# KiCad board plinkyblack.kicad_pcb (continued)
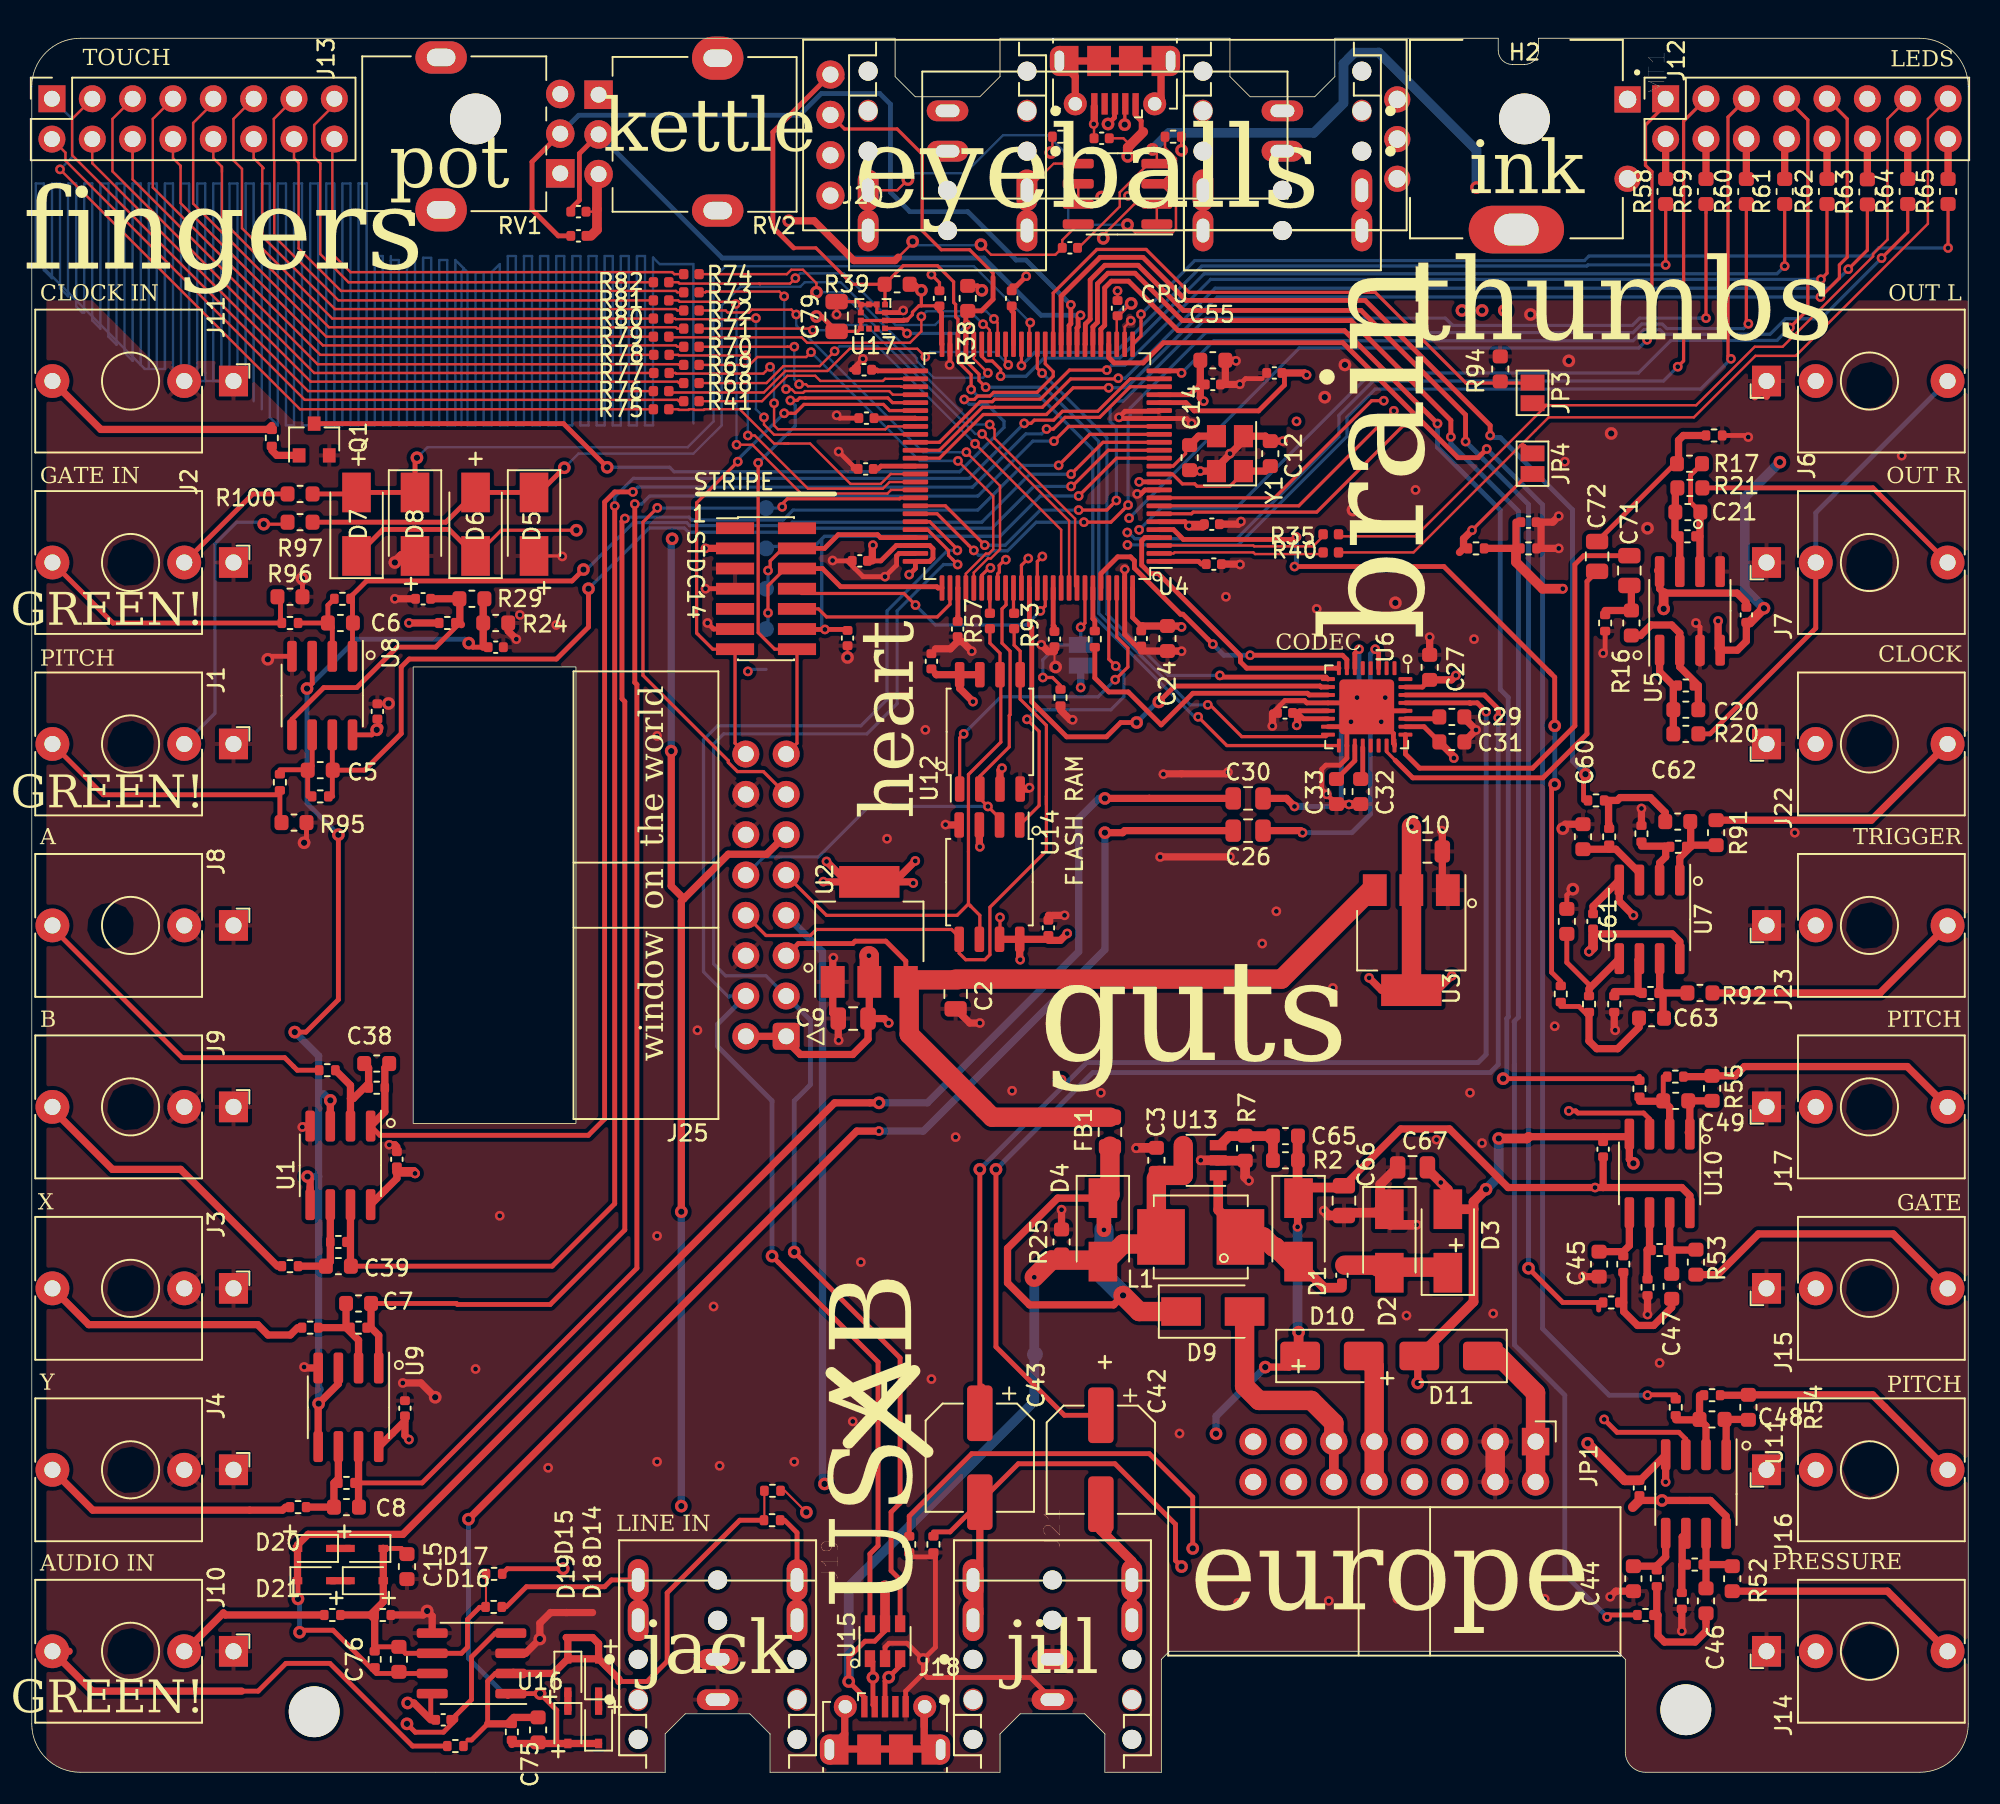
[diagram p0: board, top side]
## Routing (per net, layer and track width the routed paths; a pad name or vN(x,y) marks a point on that pad's centre or on a via; arc(x,y) is an arc through that point)
+3V3: length 238.1
  Top w0.152: v2(69.22,92.52) 68.44,91.74 C19.1 68.31,91.69 U4.28 ; 50.38,90.38 50.95,90.96
  Top w0.203: 56.01,92.37 56.83,92.37 57.15,92.05 ; 56.01,92.37 v2(56.01,93.34) ; 56.01,92.37 55.86,92.37 55.45,91.96 55.45,91.81 55.1,91.47 55.1,91.52 55.13,91.52 ; U17.2 U17.9 U17.10 52.01,90.76 C79.1 ; v1(60.96,53.85) 60.96,52.32 ; v2(34.29,78.23) 29.56,78.23 D5.1
  Top w0.305: v2(59.82,93.34) 59.54,93.62 R38.1 58.73,93.62 ; 57.15,92.05 57.28,91.92 57.28,89.98 U4.50 ; D7.1 22.12,78.28 26.27,78.28 D5.1 ; U4.6 72.61,78.77 v1(72.86,78.52) 73.41,78.52 73.51,78.61 ; U4.100 69.31,72.74 69.85,72.2 69.94,72.29 ; U6.13 79.82,66.86 79.69,66.73 80.06,66.36 U6.14 ; v2(56.01,93.34) 55.63,93.73 R39.1 ; 55.1,91.47 54.89,91.47 54.87,91.44 U17.2 ; v1(55.24,75.44) 55.63,75.83 U4.75 56.53,76.27 56.74,76.48 56.74,77.07 56.53,77.27 U4.73 54.43,77.27 53.46,76.3 52.92,76.3 ; C79.1 49.74,91.69 v2(49.4,91.69) ; v1(69.72,81.28) 70.98,81.28 U4.11
  Top w0.457: v1(50.04,57.37) 51.32,56.08 U2.2 ; 64.01,52.45 63.99,52.47 U14.8 62.2,51.21 v1(62.23,51.18) ; J5.3 v1(42.42,77.09) ; 52.92,76.3 52.92,77.25 v1(52.96,77.29) ; v1(55.5,56.01) 55.42,56.08 U2.2 ; 47.37,46.23 48.39,45.21 51.69,45.21 52.65,46.17 C9.1 ; 56.9,69.19 56.95,69.13 U12.8 58.42,68.28 v1(59.26,67.44) ; C9.1 52.73,47.55 U2.2 ; C9.1 53.67,47.47 v1(53.95,47.19) ; 69.85,72.2 C24.1 72.33,72.2 v1(72.39,72.14) ; v1(65.19,52.83) 64.76,52.4 64.01,52.4 ; U12.3 60.96,63.12 v1(61.09,63.25) ; J25.1 J25.2 ; U2.2 49.85,56.08 v1(49.83,56.1) ; U2.2 54.31,56.08 v1(55.63,57.4) ; 58.42,69.22 58.5,69.13 U12.7 ; 62.23,52.45 62.21,52.47 U14.7 ; U14.3 59.66,58.32 v1(59.69,58.29) ; v1(79.64,65.94) 79.69,66 79.69,66.73
  Top w0.61: v1(72.86,78.52) 73.72,78.52 73.82,78.61
  Top w1.219: U2.2 52.73,51.41 v1(52.7,51.44)
  In2.Cu w0.203: v1(42.42,77.09) 42.35,77.02 35.5,77.02 v2(34.29,78.23)
  In2.Cu w0.61: 56.9,81.28 52.96,77.34 v1(52.96,77.29) 52.76,77.09 v1(42.42,77.09) ; 56.9,81.28 56.9,76.45 57.4,75.95 57.4,70.87 60.07,68.2 ; 56.9,81.28 61.29,81.28 63.1,83.08 66.09,83.08 67.01,84 ; v1(72.86,78.52) 72.86,78.92 73.45,79.51 ; J20.3 48.64,100.21 48.64,97.66 52.96,93.34 v2(56.01,93.34) ; v2(56.01,93.34) v2(59.82,93.34) 59.94,93.47 65.86,93.47 66.83,92.49 ; v2(56.01,93.34) 56.44,93.34 ; 67.01,84 66.68,84.33 66.68,91.34 66.83,91.5 66.83,92.49 ; 67.01,84 67.01,83.57 69.29,81.28 v1(69.72,81.28) 71.68,81.28 73.45,79.51 ; 73.45,79.51 74.14,78.82 74.78,78.82 79.64,73.95 v1(79.64,65.94) ; 60.07,68.2 65.91,68.2 v1(66.04,68.33) ; 60.07,68.2 59.31,67.44 v1(59.26,67.44) 55.63,63.8 v1(55.63,57.4) ; 66.83,92.49 67.73,92.49 67.76,92.52 v2(69.22,92.52)
  Bottom w0.152: v2(69.22,92.52) 68.96,92.52 68.26,91.82
  Bottom w0.203: 46.23,69.47 45.21,69.47 v1(45.09,69.34)
  Bottom w0.457: v1(66.04,68.33) 66.04,69.6
+5V: length 60.2
  Top w0.305: U2.3 55.03,51.09 53.77,52.35 51.84,52.35 51.69,52.2 48.26,52.2 J25.5
  Top w0.61: 55.24,49.53 55.63,49.91
  Top w1.219: 84.58,55.63 84.35,55.63 78.68,49.96 C2.1 ; FB1.1 60.47,41.26 55.24,46.48 55.24,49.53 ; 54.99,49.91 58.29,49.91
+12V: length 312.3
  Top w0.152: v2(59.76,96.22) 60.4,95.58 64.44,95.58 C78.2 64.88,96.51 65.89,97.52 ; 54.56,95.43 55.46,96.33 v2(55.46,96.42)
  Top w0.305: 25.12,3.3 25.12,4.86 U16.8
  Top w0.457: v2(40.89,35.31) 40.89,54.86 41.05,55.03 ; 41.05,55.03 43.85,57.82 46.27,57.82 J25.11 ; 41.05,55.03 40.26,55.82 v2(40.26,64.32) ; U7.8 103.76,52.32 103.27,52.81 98.3,52.81 ; 98.93,38.46 98.93,36.83 ; 98.93,36.83 103.88,36.83 104.39,36.32 U10.8 ; 98.93,36.83 v1(98.43,36.83) 92.95,36.83 89.26,40.52 86.19,40.52 C66.1 ; U11.8 106.68,16.13 105.69,17.12 101.22,17.12 ; 107.95,73.69 107.36,74.27 102.77,74.27 102.49,74.55 U5.8 ; D10.1 79.16,25.52 v2(77.66,25.52) ; 102.36,75.69 102.43,75.63 ; 25.12,3.3 24.06,4.36 v2(23.67,4.36) ; 79.69,36.13 v1(79.69,34.35) ; v2(47.66,97.72) 49.26,97.72 51.76,95.22 54.35,95.22 54.56,95.43
  Top w0.61: 100.8,16.7 101.22,17.12 ; v2(102.74,73.28) 102.74,74.24 102.77,74.27 ; 98.3,52.81 98.3,51.94 v1(98.04,51.69) ; 79.69,36.13 79.69,40.07 ; 80.03,35.93 79.69,36.26 ; 82.68,36.96 82.55,36.83 80.42,36.83 D1.1 ; v2(79.76,27.72) 79.76,26.32 D10.1
  In2.Cu w0.457: v2(47.66,97.72) 47.56,97.72 42.96,93.12 42.96,83.92 40.32,81.28 v2(40.32,77.69) ; v2(23.67,4.36) 36.07,16.76 v2(40.89,16.76) 41.46,16.76 41.85,17.16 49.14,17.16 49.32,16.98 70.12,16.98 74.46,21.32 v2(74.56,21.32)
  In2.Cu w0.61: v2(102.74,73.28) 102.74,71.5 98.68,67.44 98.68,52.32 v1(98.04,51.69) 98.04,37.21 v1(98.43,36.83) 100.82,34.44 100.82,18.94 v2(102.64,17.12)
  Bottom w0.152: v2(59.76,96.22) 59.72,96.18 55.7,96.18 v2(55.46,96.42)
  Bottom w0.457: v2(74.56,21.32) 74.56,22.42 v2(77.66,25.52) ; v2(40.26,64.32) 40.26,77.63 v2(40.32,77.69) ; v2(40.89,35.31) v2(40.89,16.76)
  Bottom w0.61: v2(79.76,27.72) 79.69,27.79 v1(79.69,34.35)
-12V: length 306
  Top w0.13: C50.1 101.22,18.39
  Top w0.152: v2(70.56,102.22) 70.84,101.95 70.84,101.33 70.31,101.33 68.5,99.51 68.5,98.62 65.9,96.02 C78.1
  Top w0.305: v2(23.62,3.05) 24.15,2.52 25.92,2.52 26.7,3.3 26.7,3.58 27.69,4.57 27.69,7.26 29.19,8.76 U16.4
  Top w0.457: 101.22,18.39 101.26,18.39 U11.4 v1(102.87,18.29) ; 94.24,40.03 100.42,40.03 U10.4 100.58,38.61 v2(100.84,38.35) ; v1(106.17,72.52) 106.17,70.8 U5.4 107.38,70.68 107.95,71.25 107.95,72.11 ; v2(87.26,24.52) 87.26,26.12 D11.2 ; 98.3,54.38 98.3,54.55 U7.4 99.95,54.86 v1(100.84,53.98)
  Top w0.61: 90.78,35.47 90.78,29.64 D11.2 ; 90.78,35.47 90.78,35.94 v2(91.56,36.72) ; 90.78,35.47 D3.2 89.16,36.7 87.82,38.04 ; C51.1 108.16,72.42 v2(109.06,73.32) ; C50.1 100.29,18.39 v2(97.96,20.72) ; v2(92.36,39.92) 94.13,39.92 94.24,40.03
  In2.Cu w0.152: v2(70.56,102.22) 70.56,102.32
  In2.Cu w0.457: 85.35,22.61 54.36,22.61 v2(49.91,18.16) 31.24,18.16 22.1,9.02 22.1,4.57 v2(23.62,3.05) ; 85.35,22.61 87.26,22.61 v2(87.26,24.52) ; 85.35,22.61 95.36,22.61 97.25,20.72 v2(97.96,20.72)
  In2.Cu w0.61: v2(110.06,82.52) 110.26,82.72 110.26,82.97 104.83,88.4 104.82,88.4 97.06,96.16 97.06,98.22 95.96,99.32 91.46,99.32 v2(90.96,99.82) ; v2(100.84,38.35) v1(100.84,53.98) 100.53,54.28 100.53,66.88 v1(106.17,72.52)
  Bottom w0.457: v2(49.91,18.16) 49.78,18.29 49.78,51.69 J25.7
  Bottom w0.61: v2(91.56,36.72) 92.36,37.52 v2(92.36,39.92) ; v2(109.06,73.32) 107.86,74.52 107.86,80.32 v2(110.06,82.52) ; v2(70.56,102.22) 71.6,103.26 80.72,103.26 82.59,105.13 82.59,107.63 83.28,108.32 84.82,108.32 90.96,102.18 v2(90.96,99.82)
  vias: v1(88.71,37.15)
GND: length 1158.6
  Top w0.13: C11.2 v2(51.36,70.22) ; v2(22.46,67.32) 22.44,67.3 C41.1 ; C56.1 64.39,69.69 v2(64.46,69.62)
  Top w0.152: v2(64.16,102.02) 64.26,102.12 R104.2 ; v1(66.86,103.82) 66.88,103.8 C74.1 ; R103.2 72.37,102.19 v2(72.39,102.17) ; C19.2 v1(68.36,93.31) ; v1(69.19,91.43) 68.81,91.04 U4.27 ; 35.2,98.3 35.43,98.3 35.59,98.45
  Top w0.203: U17.7 52.01,92.63 C79.2 v1(50.67,91.82) ; U17.7 53.2,92.44 U17.5 53.21,91.95 53.22,91.94 U17.3 ; U17.7 U17.8 ; 57.15,93.62 57.15,93.83 v1(56.64,94.34) ; D6.2 33.37,76.61 v1(33.4,76.58)
  Top w0.305: v2(56.13,7.1) 56.13,7.09 56.13,6.22 ; v2(56.13,7.1) 56.9,7.87 56.9,13.56 55.24,13.56 ; v2(56.13,7.1) 55.1,8.13 53.98,8.13 53.72,7.87 U15.2 ; 106.71,84.2 107.97,84.2 v1(108.07,84.1) ; v1(76.06,87.43) 76.42,87.78 77.47,87.78 ; U6.33 84.3,66.86 U6.28 ; U6.33 83.8,67.36 U6.12 80.28,67.36 80.13,67.51 78.9,67.51 78.12,66.73 ; U6.33 85.73,65.43 85.73,64.81 85.8,64.74 U6.24 ; U6.33 82.8,65.86 ; C14.2 73.52,82.02 v1(73.58,81.96) ; J5.7 v1(42.42,74.55) ; v1(69.6,80.52) 69.83,80.52 70.08,80.77 U4.10 ; v1(98.93,70.48) 99.06,70.61 99.06,71.6 ; 82.8,65.86 U6.18 82.8,63.88 82.36,63.44 81.47,63.44 81.22,63.18 81.22,61.91 v1(81.53,61.59) C33.2 ; 82.8,65.86 U6.15 ; 56.13,6.22 56.39,5.97 62.87,5.97 J21.1 ; 56.13,6.22 55.02,5.11 J18.5 ; 51.71,82.09 51.71,82.27 v1(50.8,83.19) ; U4.74 54.61,76.77 54.45,76.61 54.45,76.04 v1(53.72,75.31) 52.34,75.31 51.35,76.3 50.44,76.3 v1(50.42,76.33) ; 96.55,59.72 96.55,59.59 v2(96.39,59.44) ; v2(14.86,70.1) 15.05,70.29 16.38,70.29 ; U17.3 54.73,91.94 v1(54.86,92.08) ; R95.2 17.3,58.7 v2(17.14,58.55) ; v1(73.03,84.96) 72.72,85.27 U4.19 68.53,85.27 v1(68.45,85.34) 68.83,85.72 70.94,85.72 U4.20 ; 69.85,70.62 68.81,71.67 U4.99 68.81,75.76 v1(68.81,75.77) ; v1(104.78,72.39) 105.03,72.14 U5.3 ; v2(17.02,75.18) 17.04,75.16 R96.2 ; 51.77,85.29 50.85,85.29 v1(50.67,85.47) ; v2(97.03,55.63) 96.65,55.25 C61.1 ; 61.7,93.62 62,93.62 v1(62.61,94.23) ; v1(57.79,88.65) 57.81,88.67 U4.49 ; v1(42.54,72.39) 42.93,72.01 J5.11 ; 51.61,88.34 51.64,88.34 v1(52.32,89.03)
  Top w0.457: v1(73.58,81.96) Y1.4 74.59,82.17 76.29,83.87 Y1.2 77.67,84.16 C12.2 v1(78.77,83.85) ; 64.01,53.98 v1(65.02,53.98) ; v1(50.8,46.1) 50.78,46.12 C9.2 50.43,47.82 U2.1 50.43,51.27 v1(50.47,51.31) ; v1(75.82,88.9) 75.78,88.94 C55.2 75.15,87.41 76.05,87.41 v1(76.06,87.43) ; v1(75.31,62.99) 75.21,62.89 71.27,62.89 v1(71.25,62.87) ; v1(22.51,39.52) 22.86,39.52 22.99,39.4 ; 105.03,69.88 U5.3 ; 69.85,70.62 C24.2 72.38,70.62 v1(72.39,70.61) ; C45.1 97.69,31.22 v1(97.66,31.24) ; U1.4 17.1,40.7 v1(17.03,40.64) ; v2(25.4,23.62) 24.5,24.52 v1(23.36,24.52) ; 64.39,70.59 63.99,70.59 v1(63.56,71.02) ; 23.85,73.91 v1(22.86,73.91) ; v1(78.11,65.9) 78.12,65.91 78.12,66.73 ; U9.4 17.21,25.46 v1(17.14,25.53) ; C33.2 83.02,60.99 83.09,60.92 83.09,60.98 83.09,60.99 C32.2 ; v1(88.01,71.5) C27.2 88.04,70.41 ; v1(99.38,11.05) 99.73,11.4 C44.1 ; v1(99.7,46.74) 99.63,46.8 99.63,47.6 ; 108.48,86.64 109.22,87.38 109.22,86.68 ; 75.08,78.61 75.96,78.61 v1(76.13,78.78) ; v1(59.69,47.19) 59.06,47.19 C2.2 ; 75.21,76.1 76.05,76.1 v1(76.07,76.07) ; 56.9,70.76 57.84,70.76 58.29,71.22 58.57,71.22 v1(59.18,70.61) 59.16,70.59 ; R25.2 v1(64.84,35.43) ; 101.35,59.91 v1(101.35,60.71) ; v1(66.86,103.82) 66.89,103.85 66.89,104.92 ; v1(57.53,59.69) 57.55,59.67 U14.4 ; 35.31,10.06 32.66,10.06 31.99,9.39 v2(31.99,8.39) 31.09,7.49 U16.3 ; C31.1 90.2,64.92 v1(90.93,65.65) 90.2,66.39 C29.2 ; v1(71.04,57.65) 71.05,57.66 v1(75.44,57.66) ; C60.1 96.55,59.72 96.52,59.69 ; R24.1 30,71.88 v1(30.51,71.37) ; v1(96.14,79.12) 95.76,78.74 95.02,78.74 95.02,77.09 v1(96.14,77.09) ; v1(88.77,59.31) 88.81,59.27 C10.2 88.81,55.91 U3.1 ; v1(65.53,66.29) 65.38,66.29 64.77,66.9 ; 58.32,59.79 58.42,59.69 ; 22.89,9.91 24.64,9.91 v2(24.89,10.16) 25.21,9.84 U16.5 ; 101.73,29.76 v1(101.73,28.83) ; 103.89,10.01 v1(103.89,8.89) ; v1(62.81,62.02) 62.73,61.93 U12.4
  Top w0.61: v1(76.63,37.26) 76.39,37.5 76.39,38.55 ; 84.9,35.12 85.54,34.48 v1(87.19,34.48) ; 85.23,35.83 84.65,35.24 82.62,35.24 ; C66.2 81.65,35.07 v1(81.34,35.37) ; 35.2,96.77 35.59,97.16 35.59,100.56 RV2.3 ; 85.98,38.1 84.9,37.02 84.9,35.47 ; v2(22.86,76.2) 23.27,76.61 D8.2 ; U13.2 v1(73.6,38.55) ; 74.61,38.55 74.64,38.52 R7.2 ; v1(69.53,39.31) 69.56,39.33 C3.2
  Top w1.219: JP1.4 JP1.3
  In1.Cu w0.305: 70.1,80.01 v1(69.6,80.52) 68.71,81.41 68.33,81.41
  Bottom w0.152: 22.61,95.5 22.61,84.84 22.1,84.84 22.1,95.5 21.59,95.5 21.59,84.84 21.08,84.84 21.08,100.08 20.57,100.08 20.57,84.84 20.07,84.84 20.07,100.08 19.56,100.08 19.56,84.84 19.05,84.84 19.05,100.08 18.54,100.08 18.54,84.84 18.03,84.84 18.03,100.08 17.53,100.08 17.53,84.84 17.02,84.84 17.02,100.08 16.51,100.08 16.51,84.84 16,84.84 16,100.08 15.49,100.08 15.49,84.84 14.99,85.34 14.99,100.08 14.48,100.08 14.48,85.85 ; J11.TN 10.92,87.63 ; 10.92,87.63 10.92,100.08 10.41,100.08 10.41,88.27 ; 10.92,87.63 J11.S ; 27.18,94.74 27.43,94.49 27.43,84.84 27.94,84.84 27.94,94.49 28.45,94.49 28.45,84.84 28.96,84.84 28.96,94.49 29.46,95 29.46,84.84 29.97,84.84 29.97,95.5 30.48,95.5 30.48,84.84 30.99,84.84 30.99,95.5 31.5,95.5 31.5,84.84 32,84.84 32,95.5 32.51,95.5 32.51,84.84 33.02,84.84 33.02,95.5 33.53,95.5 33.53,84.84 34.04,84.84 34.04,95.5 34.54,95.5 34.54,84.84 35.05,84.84 35.05,95.5 35.56,95.5 35.56,84.84 36.07,84.84 36.07,95.5 36.58,95.5 36.58,84.84 37.08,84.84 37.08,95.5 37.59,95.5 37.59,84.84 38.1,84.84 38.1,95.5 38.61,95.5 38.61,84.84 39.12,84.84 39.12,95.41 39.53,95 41.66,95 41.66,84.96 ; 27.18,94.74 27.18,94.62 27.05,94.49 27.05,84.84 ; 27.18,94.74 26.67,95.25 26.67,84.84 26.16,84.84 26.16,95.25 25.65,95.25 25.65,84.84 25.15,84.84 25.15,95.39 24.64,95.39 24.64,84.84 24.13,84.84 24.13,95.25 23.62,94.74 23.62,84.84 23.11,84.84 23.11,95.25 22.61,95.25 ; 8.89,88.14 8.89,100.08 8.38,100.08 8.38,88.39 7.11,88.39 0.51,95 0.25,95 0.25,100.08 0.76,100.08 0.76,94.62 1.27,94.11 1.27,100.08 1.78,100.08 1.78,93.47 2.29,92.96 2.29,100.08 2.79,100.08 2.79,92.33 3.17,91.95 3.3,91.95 3.3,100.08 3.81,100.08 3.81,91.44 4.32,90.93 4.32,100.08 4.83,100.08 4.83,90.42 5.33,89.92 5.33,100.08 5.84,100.08 5.84,89.41 6.35,88.9 6.35,100.08 6.86,100.08 6.86,88.65 ; 13.46,86.87 13.46,100.08 13.97,100.08 13.97,86.36 ; 12.95,87.38 12.95,100.08 12.45,100.08 12.45,87.88 J11.S ; 8.89,53.85 9.4,53.85 ; 9.91,53.98 10.16,53.72 10.41,53.98 ; 7.37,88.39 7.37,100.08 7.87,100.08 7.87,88.39 ; J11.S 11.94,88.39 11.94,100.08 11.43,100.08 11.43,87.63 ; 9.4,88.14 9.4,100.08 9.91,100.08 9.91,88.27 ; 12.95,53.09 13.46,52.58
  Bottom w1.219: JP1.3 JP1.4
  vias: v1(27.94,25.4) v1(29.46,35.05) v1(30.73,72.9) v1(32.51,19.18) v1(33.02,72.26) v1(39.37,65.28) v1(39.37,33.78) v1(39.37,19.56) v1(41.91,46.74) v1(42.93,29.34) v1(43.31,19.3) v1(48.01,19.56) v1(51.69,22.1) v1(52.2,32.13) v1(53.85,58.8) v1(56.26,65.66) v1(56.64,24.77) v1(58.17,40.01) v1(61.72,42.93) v1(67.31,42.8) v1(72.26,21.34) v1(75.18,74.04) v1(75.44,83.06) v1(75.95,10.67) v1(77.47,52.2) v1(78.36,54.23) v1(80.9,73.28) v1(81.66,10.8) v1(81.92,49.4) v1(82.93,60.96) v1(83.06,66.17) v1(83.44,67.69) v1(84.96,66.17) v1(85.22,67.69) v1(85.98,10.92) v1(86.55,28.77) v1(87.12,80.77) v1(88.44,39.85) v1(90.55,42.8) v1(90.68,11.05) v1(90.81,71.37) v1(91.31,39.63) v1(92.01,28.89) v1(95.25,10.92) v1(95.89,46.99) v1(96.52,82.55) v1(102.49,25.78) v1(111,59.18) v1(117.73,82.93) v2(81.41,86.61) v2(82.68,88.65) v2(83.19,79.5) v2(85.85,73.66) v2(94.36,91.82) v2(96.77,88.9) v2(99.44,84.33) v2(101.73,78.36)
VBUS: length 247.4
  Top w0.152: C74.2 68.73,102.92 69.15,102.49
  Top w0.203: R25.1 64.42,32.61
  Top w0.305: 69.47,105.41 69.47,104.39 69.85,104.01 69.85,103.45 69.98,103.32 ; J18.1 52.42,4.73 v2(51.43,5.72) 51.43,7.22 52.47,8.26 53.07,8.26 53.72,8.9 U15.5
  Top w0.61: v2(69,101.78) 69,102.34 69.98,103.32 ; 70.55,33.21 71.06,33.21 ; U15.5 v2(53.72,11.68) ; 70.99,37.59 70.8,37.41
  Top w1.219: v1(63.12,31.18) 64.2,32.26 67.38,32.26 ; 72.5,39.48 U13.5 70.99,37.59 ; 67.5,32.07 68.71,33.27 70.93,33.27 71.1,33.44 L1.1 ; 70.8,37.41 70.8,33.97
  In2.Cu w0.61: v2(69,101.78) 69.91,100.87 69.91,96.58 72.59,93.9 95.6,93.9 110.79,78.72 112.9,78.72 115.28,76.35 115.28,18.14 112.2,15.06 71.7,15.06 71.5,14.86 56.9,14.86 v2(53.72,11.68)
  Bottom w0.152: 63.12,25.4 63.12,26.28 T_VBUS1.1
  Bottom w0.61: 51.43,11.68 63.12,23.37 v1(63.12,31.18) ; 51.43,11.68 v2(51.43,5.72) ; 51.43,11.68 v2(53.72,11.68)
VDDA: length 206.9
  Top w0.13: v2(21.72,65.66) 21.76,65.7 C41.2
  Top w0.305: U4.22 72.93,86.77 73.57,87.41 ; C31.2 87.66,65.86 U6.26 ; U6.31 87.56,68.36 C27.1 ; 21.84,65.79 21.4,65.34 U8.8
  Top w0.457: U1.8 22.99,37.4 22.99,37.82 ; 86.86,51.19 U3.2 ; U3.2 88.51,49.26 v1(89.41,50.17) ; U3.2 84.98,49.26 v1(84.2,50.04) ; U9.8 21.87,20.51 23.49,22.14 23.49,21.21 v1(23.75,20.95) ; C55.1 73.57,86.58 v1(73.79,86.36) ; v1(89.66,69.09) 89.38,68.81 C27.1 ; U3.2 86.93,55.64 C10.1 ; v1(89.54,63.88) 89.54,63.98 C31.2
  Top w0.61: v1(24.13,37.72) 24.03,37.82 22.99,37.82 ; 21.84,65.79 v2(21.72,65.66)
  Top w1.219: v1(86.87,59.56) 86.87,49.4
  In2.Cu w0.61: v1(23.75,20.95) 24.17,21.38 24.17,37.68 v1(24.13,37.72) 23.26,38.59 23.26,64.12 v2(21.72,65.66)
  In2.Cu w1.219: 86.87,50.04 89.28,50.04 v1(89.41,50.17) ; 86.87,50.04 v1(84.2,50.04) 84.2,49.91 82.55,48.26 57.15,48.26 54.36,45.47 ; 86.87,50.04 v1(86.87,59.56) 86.87,61.21 v1(89.54,63.88) 89.54,68.96 v1(89.66,69.09) 89.66,75.18 78.49,86.36 v1(73.79,86.36) ; 54.23,45.47 54.23,45.14 46.81,37.72 v1(24.13,37.72)
  vias: v1(79.63,85.09)
/INPUT_L_SECONDARYIN: length 185.8
  Top w0.13: v2(48.77,16.38) 47.42,17.73 R6.2
  Top w0.152: v2(67.46,96.62) 67.46,96.82 69.43,98.78 70.84,98.78 70.84,97.52
  In2.Cu w0.305: v2(48.77,16.38) 112.01,16.38 114.17,18.54 114.17,68.45 110.63,71.99 110.63,77.25 95.1,92.78 71.3,92.78 v2(67.46,96.62)
  Bottom w0.152: v2(67.46,96.62) 67.46,96.32
/INPUT_R_SECONDARYIN: length 205.9
  Top w0.152: 65.89,100.06 U18.7
  Top w0.305: v2(33.46,12.82) 29.94,12.82 R23.2 ; U18.7 67.03,98.78 67.36,99.12 v2(67.36,99.22)
  In2.Cu w0.305: v2(33.46,12.82) 36.31,15.67 111.95,15.67 114.68,18.4 114.68,76.1 112.66,78.12 110.48,78.12 95.3,93.29 71.93,93.29 67.36,97.87 v2(67.36,99.22)
ADCDAT: length 34.4
  Top w0.203: U4.38 63.31,88.43 v1(63.61,88.13)
  Top w0.305: v1(74.8,69.09) 74.91,68.98 81.49,68.98 U6.9
  Bottom w0.203: v1(63.61,88.13) 67.69,84.05 67.69,72.96 71.56,69.09 v1(74.8,69.09)
AIN1: length 68.4
  Top w0.203: U4.15 67.77,83.27 65.5,80.99 v1(65.43,80.99)
  Top w0.305: U8.7 18.92,61.49 18.95,61.47 ; v2(35.05,74.55) 35.05,72.14 33.04,70.12 23.76,70.12 23.26,69.62 23.26,65.42 20.95,63.12 C5.1
  Bottom w0.203: v1(65.43,80.99) 63.09,80.99 60.45,78.36 48.24,78.36 47.99,78.11 41.35,78.11 41.09,78.37 38.88,78.37 v2(35.05,74.55)
AIN2: length 58.8
  Top w0.203: v1(65.43,81.76) 67.44,83.77 U4.16
  Top w0.305: v2(34.73,75.76) 34.02,75.04 21.08,75.04 20.19,74.15 U8.1
  Bottom w0.203: v1(65.43,81.76) 62.84,81.76 59.82,78.74 47.88,78.74 47.66,78.52 41.42,78.52 41.23,78.72 37.89,78.72 34.93,75.76 v2(34.73,75.76)
AIN3: length 103.3
  Top w0.203: v1(64.65,82.32) 66.6,84.27 U4.17 ; C7.1 21.36,29.62
  Top w0.305: C7.1 26.73,29.53 26.8,29.46 32.64,29.46 37.34,34.16 37.34,67.44 37.16,67.61 37.16,78.79 v1(37.34,78.97)
  Top w0.457: C7.1 21.36,28 21.84,27.52 U9.1
  Bottom w0.203: v1(64.65,82.32) 62.38,82.32 59.56,79.5 47.93,79.5 47.3,78.87 41.55,78.87 41.37,79.06 37.43,79.06 v1(37.34,78.97)
